# Altium PCB KlusterLab r2.0.PcbDoc (part 6 of 22) (continued)
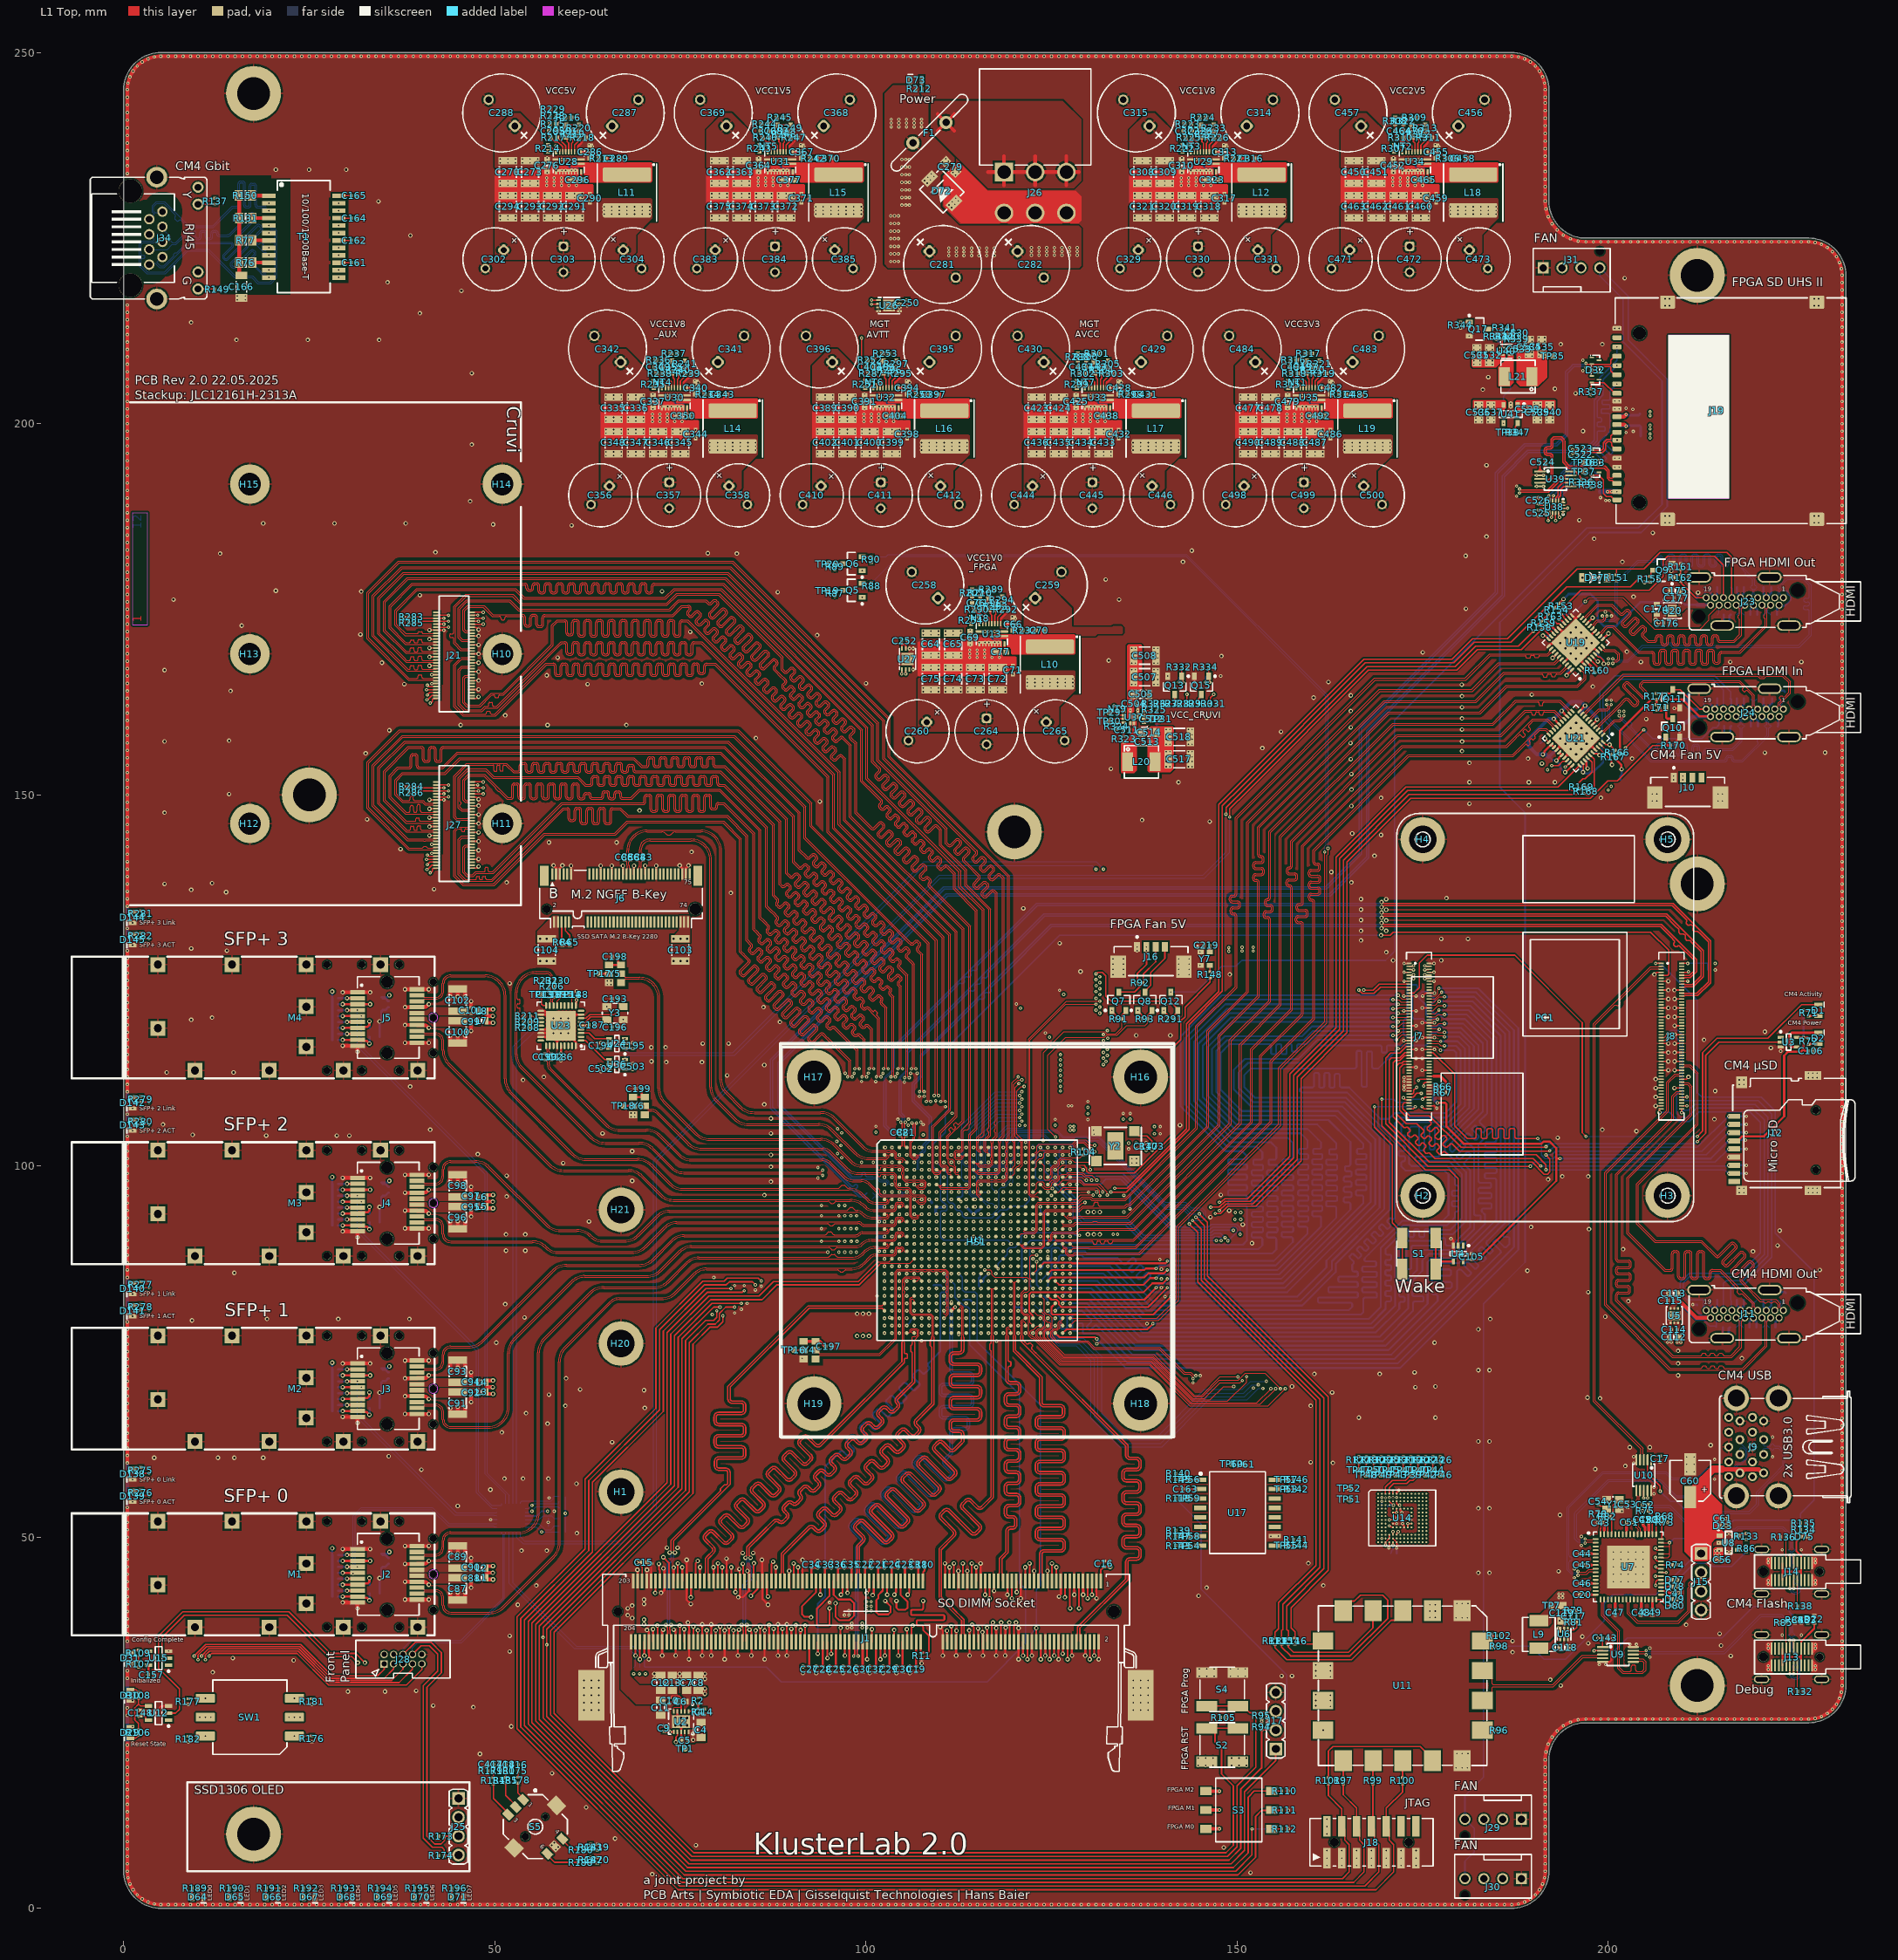
[diagram p0: L1 Top view]
## Nets (pads, with @x,y where several pads share a name; then routed paths per layer and width w, separated by ;. In a path a pad name is that pad's centre, name@x,y a point inside that pad or via, vN(x,y) a via of type N, cw(c..) or ccw(c..) an arc to the next point about the centre after c; other vN are vias at no path point) (continued)
CRUVI_A_4_N: J21.41 U1.D13 | length 173.2
  L1 Top w0.1: U1.D13@114.5,99.5 114.5,99.476 115.076,98.9 115.783,98.9 ; 115.666,98.9 116.483,98.9 117.749,98.9 118.1,99.251 118.1,100.251 118.1,103.169 118.12,103.189
  L1 Top w0.114: J21.41@42.165,166.59 42.107,166.648 41.712,166.648 41.69,166.67 38.19,166.67 33.5,171.359 33.5,176.841 37.409,180.75 81.752,180.75 102.5,160.002 102.5,154.925 114.573,142.852 114.965,142.46 114.965,142.455 cw(c114.64,142.205) 114.93,141.915 114.528,141.514 ccw(c114.648,141.394) 114.528,141.274 114.688,141.115 ccw(c114.808,141.235) 114.927,141.115 115.353,141.541 cw(c115.643,141.251) 115.893,141.576 115.898,141.576 116.128,141.346 116.128,141.341 cw(c115.803,141.092) 116.092,140.802 ; 116.092,140.801 115.568,140.277 ccw(c115.687,140.157) 115.568,140.038 115.727,139.878 ccw(c115.847,139.998) 115.966,139.878 116.491,140.403 cw(c116.781,140.113) 117.031,140.438 117.036,140.438 117.266,140.208 117.266,140.203 cw(c116.94,139.954) 117.23,139.664 ; 117.23,139.663 116.705,139.139 ccw(c116.825,139.019) 116.705,138.9 116.865,138.74 ccw(c116.984,138.86) 117.103,138.74 117.604,139.241 cw(c117.894,138.951) 118.144,139.276 118.149,139.276 118.31,139.115 118.594,138.831 118.594,112 118.594,103.953 118.12,103.48 118.12,103.189
CRUVI_A_4_P: J21.39 U1.D14 | length 173.1
  L1 Top w0.1: U1.D14@115.5,99.5 115.1,99.5 115,99.4 115,99.279 115.179,99.1 115.7,99.1 ; 115.749,99.1 116.4,99.1 117.074,99.1 117.666,99.1 117.9,99.334 117.9,103.169 117.88,103.189
  L1 Top w0.114: J21.39@42.165,166.99 42.107,166.932 41.906,166.932 41.712,166.932 41.69,166.91 40.308,166.91 cw(c40.308,167.065) 40.153,167.065 40.153,167.3 ccw(c39.999,167.3) 39.999,167.454 39.794,167.454 ccw(c39.794,167.3) 39.64,167.3 39.64,167.038 cw(c39.486,167.038) 39.486,166.883 39.28,166.883 cw(c39.28,167.038) 39.126,167.038 39.126,167.254 ccw(c38.972,167.254) 38.972,167.408 38.766,167.408 ccw(c38.766,167.254) 38.612,167.254 38.612,167.065 cw(c38.458,167.065) 38.458,166.91 38.29,166.91 37.883,167.317 33.741,171.459 33.741,176.741 37.509,180.509 81.653,180.509 102.259,159.903 102.259,154.825 114.402,142.682 114.759,142.325 cw(c114.64,142.205) 114.76,142.085 114.358,141.684 ccw(c114.648,141.394) 114.358,141.104 114.518,140.945 ccw(c114.808,141.235) 115.097,140.945 115.523,141.371 cw(c115.643,141.251) 115.763,141.37 115.921,141.212 ; 115.922,141.212 cw(c115.803,141.092) 115.923,140.973 115.397,140.447 ccw(c115.687,140.157) 115.397,139.867 115.557,139.708 ccw(c115.847,139.998) 116.136,139.708 ; 116.137,139.708 116.661,140.233 cw(c116.781,140.113) 116.901,140.232 117.059,140.074 ; 117.06,140.074 cw(c116.94,139.954) 117.061,139.835 116.535,139.309 ccw(c116.825,139.019) 116.535,138.73 116.695,138.57 ccw(c116.984,138.86) 117.274,138.57 ; 117.275,138.571 117.775,139.071 cw(c117.894,138.951) 118.014,139.07 118.139,138.945 118.353,138.732 118.353,104.053 117.88,103.58 117.88,103.189
CRUVI_A_5_N: J21.47 U1.G14 | length 174.4
  L1 Top w0.1: 115.1,97.749 115.1,97.33 115.1,97.2 115.2,97.1 115.2,96.8 115.1,96.7 115.1,96.2 115.2,96.1 115.365,96.1 115.423,96.159 115.423,96.423 U1.G14@115.5,96.5 ; 115.1,97.767 115.233,97.9 118.749,97.9 119.1,98.251 119.1,99.251 119.1,102.749 119.1,103.2 119.12,103.22
  L1 Top w0.114: J21.47@42.165,165.39 42.107,165.448 41.712,165.448 41.69,165.47 38.34,165.47 32.75,171.059 32.75,177.241 37,181.491 81.959,181.491 82.059,181.491 103.241,160.309 103.241,155.184 119.327,139.098 119.327,138.998 119.327,103.686 119.12,103.48 119.12,103.22
CRUVI_A_5_P: J21.45 U1.H14 | length 174.4
  L1 Top w0.1: U1.H14@115.5,95.5 115.5,95.517 114.9,96.117 114.9,96.684 114.9,97.85 115.15,98.1 115.316,98.1 116.7,98.1 116.8,98.2 117.1,98.2 117.2,98.1 117.7,98.1 117.8,98.2 118.1,98.2 118.2,98.1 118.666,98.1 118.9,98.334 118.9,98.7 118.8,98.8 118.8,99.1 118.9,99.2 118.9,99.334 118.9,99.7 118.8,99.8 118.8,100.1 118.9,100.2 118.9,100.334 118.9,100.7 118.8,100.8 118.8,101.1 118.9,101.2 118.9,101.334 118.9,101.7 118.8,101.8 118.8,102.1 118.9,102.2 118.9,102.334 118.9,102.666 118.9,103.2 118.88,103.22
  L1 Top w0.114: J21.45@42.165,165.79 42.107,165.732 41.712,165.732 41.69,165.71 40.9,165.71 40.329,165.71 cw(c40.329,165.865) 40.175,165.865 40.175,166 ccw(c40.021,166) 40.021,166.154 39.815,166.154 ccw(c39.815,166) 39.661,166 39.661,165.865 cw(c39.507,165.865) 39.507,165.71 38.65,165.71 38.44,165.71 32.991,171.159 32.991,177.141 37.1,181.25 81.959,181.25 103,160.209 103,155.084 119.086,138.998 119.086,103.786 118.88,103.58 118.88,103.22
CRUVI_A_6_N: J21.16 U1.D10 | length 169.6
  L1 Top w0.1: 110.12,103.72 110.1,103.7 110.1,100.25 110.25,100.1 110.825,100.1 111.1,99.825 111.1,99.747 111.102,99.745 111.102,99.198 111.2,99.1 111.365,99.1 111.423,99.159 U1.D10@111.423,99.423
  L1 Top w0.114: J21.16@46.835,171.79 46.485,171.79 46.391,171.884 45.986,171.884 45.695,172.175 45.695,174.885 46.236,175.426 46.306,175.497 48.553,175.497 49.759,174.291 53.193,174.291 53.714,174.291 cw(c53.714,173.853) 54.153,173.853 54.153,173.05 ccw(c54.35,173.05) 54.35,172.853 54.519,172.853 ccw(c54.519,173.05) 54.716,173.05 54.716,173.872 cw(c55.154,173.872) 55.154,174.31 55.324,174.31 cw(c55.324,173.872) 55.762,173.872 55.762,172.977 ccw(c55.959,172.977) 55.959,172.78 56.128,172.78 ccw(c56.128,172.977) 56.325,172.977 56.325,173.853 cw(c56.764,173.853) 56.764,174.291 56.941,174.291 73.941,174.291 75.147,175.497 75.442,175.497 76.038,175.497 cw(c76.038,175.087) 76.328,174.797 76.121,174.59 ccw(c76.241,174.47) 76.121,174.35 76.28,174.191 ccw(c76.4,174.311) 76.519,174.19 76.988,174.659 cw(c77.278,174.369) 77.527,174.695 77.532,174.695 77.762,174.465 77.762,174.46 cw(c77.437,174.21) 77.727,173.92 77.259,173.452 ccw(c77.378,173.332) 77.259,173.213 77.418,173.053 ccw(c77.538,173.173) 77.657,173.052 78.126,173.521 cw(c78.416,173.232) 78.665,173.557 78.67,173.557 78.9,173.327 78.9,173.322 cw(c78.575,173.072) 78.865,172.782 78.397,172.314 ccw(c78.516,172.194) 78.397,172.075 78.556,171.915 ccw(c78.676,172.035) 78.795,171.915 79.264,172.384 cw(c79.553,172.094) 79.803,172.419 79.808,172.419 80.038,172.189 80.038,172.184 cw(c79.713,171.934) 80.003,171.644 79.535,171.176 ccw(c79.654,171.056) 79.535,170.937 79.694,170.777 ccw(c79.814,170.897) 79.933,170.777 80.401,171.246 cw(c80.691,170.956) 80.941,171.281 80.946,171.281 81.176,171.051 81.176,171.046 cw(c80.851,170.796) 81.141,170.506 80.672,170.038 ccw(c80.792,169.919) 80.672,169.799 80.832,169.64 ccw(c80.951,169.759) 81.07,169.639 81.539,170.108 cw(c81.829,169.818) 82.079,170.143 82.084,170.143 82.314,169.913 82.314,169.908 cw(c81.989,169.658) 82.279,169.369 81.81,168.9 ccw(c81.93,168.781) 81.81,168.661 81.97,168.502 ccw(c82.089,168.621) 82.208,168.501 82.677,168.97 cw(c82.967,168.68) 83.217,169.005 83.222,169.005 83.452,168.775 83.452,168.77 cw(c83.127,168.521) 83.416,168.231 82.948,167.762 ccw(c83.068,167.643) 82.948,167.523 83.108,167.364 ccw(c83.227,167.483) 83.346,167.363 83.815,167.832 cw(c84.105,167.542) 84.355,167.867 84.36,167.867 84.59,167.637 84.59,167.632 cw(c84.264,167.383) 84.554,167.093 84.086,166.625 ccw(c84.206,166.505) 84.086,166.385 84.245,166.226 ccw(c84.365,166.346) 84.484,166.225 84.953,166.694 cw(c85.243,166.404) 85.492,166.729 85.497,166.729 85.727,166.499 85.727,166.494 cw(c85.402,166.245) 85.692,165.955 85.224,165.487 ccw(c85.343,165.367) 85.224,165.248 85.383,165.088 ccw(c85.503,165.208) 85.622,165.087 86.091,165.556 cw(c86.381,165.266) 86.63,165.592 86.635,165.592 86.865,165.362 86.865,165.357 cw(c86.54,165.107) 86.83,164.817 86.362,164.349 ccw(c86.481,164.229) 86.362,164.11 86.521,163.95 ccw(c86.641,164.07) 86.76,163.95 87.229,164.418 cw(c87.519,164.129) 87.768,164.454 87.773,164.454 88.003,164.224 88.003,164.219 cw(c87.678,163.969) 87.968,163.679 87.5,163.211 ccw(c87.619,163.091) 87.5,162.972 87.659,162.812 ccw(c87.779,162.932) 87.898,162.812 88.367,163.281 cw(c88.656,162.991) 88.906,163.316 88.911,163.316 89.141,163.086 89.141,163.081 cw(c88.816,162.831) 89.106,162.541 88.637,162.073 ccw(c88.757,161.954) 88.637,161.834 88.797,161.674 ccw(c88.917,161.794) 89.035,161.674 89.504,162.143 cw(c89.794,161.853) 90.044,162.178 90.049,162.178 90.279,161.948 90.279,161.943 cw(c89.954,161.693) 90.244,161.403 89.775,160.935 ccw(c89.895,160.816) 89.775,160.696 89.935,160.537 ccw(c90.054,160.656) 90.173,160.536 90.642,161.005 cw(c90.932,160.715) 91.182,161.04 91.187,161.04 91.417,160.81 91.417,160.805 cw(c91.092,160.555) 91.381,160.266 90.913,159.797 ccw(c91.033,159.678) 90.913,159.558 91.073,159.399 ccw(c91.192,159.518) 91.311,159.398 91.78,159.867 cw(c92.07,159.577) 92.32,159.902 92.325,159.902 92.555,159.672 92.555,159.667 cw(c92.229,159.418) 92.519,159.128 92.051,158.659 ccw(c92.171,158.54) 92.051,158.42 92.211,158.261 ccw(c92.33,158.38) 92.449,158.26 92.918,158.729 cw(c93.208,158.439) 93.458,158.764 93.462,158.764 93.692,158.534 93.692,158.529 cw(c93.367,158.28) 93.657,157.99 ; 93.657,157.989 93.189,157.522 ccw(c93.309,157.402) 93.189,157.282 93.348,157.123 ccw(c93.468,157.243) 93.587,157.122 94.056,157.591 cw(c94.346,157.301) 94.595,157.626 94.6,157.626 94.83,157.396 94.83,157.392 cw(c94.505,157.142) 94.795,156.852 ; 94.795,156.851 94.327,156.384 ccw(c94.446,156.264) 94.327,156.145 94.486,155.985 ccw(c94.606,156.105) 94.725,155.984 95.194,156.453 cw(c95.484,156.163) 95.733,156.489 95.738,156.489 95.968,156.259 95.968,156.254 cw(c95.643,156.004) 95.933,155.714 ; 95.932,155.714 95.465,155.246 ccw(c95.584,155.126) 95.465,155.007 95.624,154.847 ccw(c95.744,154.967) 95.863,154.847 96.281,155.265 cw(c96.571,154.975) 96.82,155.3 96.825,155.3 96.986,155.139 97.247,154.878 97.247,146.612 112.294,131.565 112.294,106.653 110.12,104.48 110.12,103.72
CRUVI_A_6_P: J21.14 U1.E10 | length 169.3
  L1 Top w0.1: 109.88,103.72 109.9,103.7 109.9,100.167 110.167,99.9 110.742,99.9 110.9,99.742 110.9,99.117 111.117,98.9 111.365,98.9 111.423,98.841 U1.E10@111.423,98.577
  L1 Top w0.114: J21.14@46.835,172.19 46.777,172.132 46.382,172.132 46.36,172.11 46.1,172.11 45.935,172.275 45.935,174.785 46.406,175.256 48.428,175.256 49.634,174.05 50.025,174.05 50.596,174.05 cw(c50.596,173.819) 50.827,173.819 50.827,173.78 ccw(c51.058,173.78) 51.058,173.549 51.11,173.549 ccw(c51.11,173.78) 51.341,173.78 51.341,173.819 cw(c51.572,173.819) 51.572,174.05 52.425,174.05 53.193,174.05 53.714,174.05 cw(c53.714,173.853) 53.912,173.853 53.912,173.05 ccw(c54.35,173.05) 54.35,172.612 54.519,172.612 ccw(c54.519,173.05) 54.957,173.05 54.957,173.872 cw(c55.154,173.872) 55.154,174.069 55.324,174.069 cw(c55.324,173.872) 55.521,173.872 55.521,172.977 ccw(c55.959,172.977) 55.959,172.539 56.128,172.539 ccw(c56.128,172.977) 56.566,172.977 56.566,173.853 cw(c56.764,173.853) 56.764,174.05 56.941,174.05 74.041,174.05 75.02,175.03 75.246,175.256 76.038,175.256 cw(c76.038,175.087) 76.158,174.967 75.951,174.76 ccw(c76.241,174.47) 75.951,174.18 76.11,174.021 ccw(c76.4,174.311) 76.69,174.021 ; 76.69,174.021 77.158,174.489 cw(c77.278,174.369) 77.398,174.489 ; 77.398,174.488 77.556,174.33 cw(c77.437,174.21) 77.557,174.091 77.089,173.622 ccw(c77.378,173.332) 77.089,173.042 77.248,172.883 ccw(c77.538,173.173) 77.828,172.883 ; 77.828,172.883 78.296,173.351 cw(c78.416,173.232) 78.536,173.351 ; 78.536,173.35 78.694,173.192 cw(c78.575,173.072) 78.695,172.953 78.226,172.484 ccw(c78.516,172.194) 78.226,171.904 78.386,171.745 ccw(c78.676,172.035) 78.966,171.745 ; 78.966,171.745 79.434,172.213 cw(c79.553,172.094) 79.673,172.213 ; 79.674,172.213 79.832,172.054 cw(c79.713,171.934) 79.833,171.815 79.364,171.346 ccw(c79.654,171.056) 79.364,170.767 79.524,170.607 ccw(c79.814,170.897) 80.103,170.607 ; 80.104,170.608 80.572,171.075 cw(c80.691,170.956) 80.811,171.075 80.97,170.917 cw(c80.851,170.796) 80.971,170.677 80.502,170.208 ccw(c80.792,169.919) 80.502,169.629 80.662,169.469 ccw(c80.951,169.759) 81.241,169.469 ; 81.242,169.47 81.71,169.938 cw(c81.829,169.818) 81.949,169.937 82.108,169.779 cw(c81.989,169.658) 82.109,169.54 81.64,169.071 ccw(c81.93,168.781) 81.64,168.491 81.799,168.331 ccw(c82.089,168.621) 82.379,168.331 ; 82.38,168.332 82.847,168.8 cw(c82.967,168.68) 83.087,168.799 83.245,168.641 cw(c83.127,168.521) 83.247,168.402 82.778,167.933 ccw(c83.068,167.643) 82.778,167.353 82.937,167.194 ccw(c83.227,167.483) 83.517,167.194 ; 83.518,167.194 83.985,167.662 cw(c84.105,167.542) 84.225,167.661 84.383,167.503 cw(c84.264,167.383) 84.385,167.264 83.916,166.795 ccw(c84.206,166.505) 83.916,166.215 84.075,166.056 ccw(c84.365,166.346) 84.655,166.056 ; 84.655,166.056 85.123,166.524 cw(c85.243,166.404) 85.363,166.523 85.521,166.365 cw(c85.402,166.245) 85.523,166.126 85.054,165.657 ccw(c85.343,165.367) 85.054,165.077 85.213,164.918 ccw(c85.503,165.208) 85.793,164.918 ; 85.793,164.918 86.261,165.386 cw(c86.381,165.266) 86.501,165.386 86.659,165.227 cw(c86.54,165.107) 86.66,164.988 86.191,164.519 ccw(c86.481,164.229) 86.191,163.939 86.351,163.78 ccw(c86.641,164.07) 86.931,163.78 ; 86.931,163.78 87.399,164.248 cw(c87.519,164.129) 87.639,164.248 87.797,164.089 ; 87.797,164.089 cw(c87.678,163.969) 87.798,163.85 87.329,163.381 ccw(c87.619,163.091) 87.329,162.802 87.489,162.642 ccw(c87.779,162.932) 88.069,162.642 ; 88.069,162.643 88.537,163.11 cw(c88.656,162.991) 88.776,163.11 88.935,162.951 ; 88.936,162.712 88.467,162.243 ccw(c88.757,161.954) 88.467,161.664 88.627,161.504 ccw(c88.917,161.794) 89.206,161.504 ; 88.935,162.951 cw(c88.816,162.831) 88.936,162.712 ; 89.207,161.505 89.675,161.972 cw(c89.794,161.853) 89.914,161.972 90.073,161.814 ; 90.073,161.813 cw(c89.954,161.693) 90.074,161.574 89.605,161.106 ccw(c89.895,160.816) 89.605,160.526 89.765,160.366 ccw(c90.054,160.656) 90.344,160.366 ; 90.345,160.367 90.813,160.835 cw(c90.932,160.715) 91.052,160.834 91.211,160.676 ; 91.211,160.676 cw(c91.092,160.555) 91.212,160.437 90.743,159.968 ccw(c91.033,159.678) 90.743,159.388 90.902,159.228 ccw(c91.192,159.518) 91.482,159.228 ; 91.483,159.229 91.95,159.697 cw(c92.07,159.577) 92.19,159.696 92.348,159.538 ; 92.349,159.538 cw(c92.229,159.418) 92.35,159.299 91.881,158.83 ccw(c92.171,158.54) 91.881,158.25 92.04,158.091 ccw(c92.33,158.38) 92.62,158.091 ; 92.621,158.091 93.088,158.559 cw(c93.208,158.439) 93.328,158.558 93.486,158.4 cw(c93.367,158.28) 93.488,158.161 93.019,157.692 ccw(c93.309,157.402) 93.019,157.112 93.178,156.953 ccw(c93.468,157.243) 93.758,156.953 ; 93.758,156.953 94.226,157.421 cw(c94.346,157.301) 94.466,157.42 94.624,157.262 ; 94.624,157.262 cw(c94.505,157.142) 94.625,157.023 94.157,156.554 ccw(c94.446,156.264) 94.157,155.974 94.316,155.815 ccw(c94.606,156.105) 94.896,155.815 ; 94.896,155.815 95.364,156.283 cw(c95.484,156.163) 95.604,156.283 95.762,156.124 ; 95.762,156.124 cw(c95.643,156.004) 95.763,155.885 95.294,155.416 ccw(c95.584,155.126) 95.294,154.836 95.454,154.677 ccw(c95.744,154.967) 96.034,154.677 96.451,155.094 cw(c96.571,154.975) 96.691,155.094 ; 96.691,155.094 96.816,154.969 97.006,154.779 97.006,146.512 112.053,131.465 112.053,112 112.053,106.753 109.88,104.58 109.88,103.72
CRUVI_A_7_N: J21.22 U1.D11 | length 173.3
  L1 Top w0.1: 111.12,103.72 111.1,103.7 111.1,101.749 111.1,101.058 111.208,100.95 111.65,100.95 111.925,100.675 111.925,100.046 112.102,99.869 112.102,99.198 112.2,99.1 112.365,99.1 112.423,99.159 U1.D11@112.423,99.423
  L1 Top w0.114: J21.22@46.835,170.59 46.777,170.648 46.382,170.648 46.36,170.67 45.54,170.67 45.059,171.15 45.059,175.148 46.09,176.179 46.161,176.25 52.05,176.25 53.256,175.044 62.611,175.044 73.494,175.044 74.7,176.25 78.475,176.25 78.709,176.016 78.834,175.891 ccw(c78.954,176.011) 79.073,175.891 79.381,176.199 79.386,176.199 cw(c79.636,175.874) 79.926,176.164 80.085,176.004 cw(c79.795,175.714) 80.085,175.424 79.043,174.383 ccw(c79.163,174.263) 79.043,174.143 79.203,173.983 ccw(c79.322,174.103) 79.442,173.984 80.519,175.061 80.524,175.061 cw(c80.774,174.736) 81.064,175.026 81.223,174.866 cw(c80.933,174.576) 81.223,174.287 80.181,173.245 ccw(c80.3,173.125) 80.181,173.005 80.34,172.846 ccw(c80.46,172.965) 80.579,172.846 81.657,173.923 81.662,173.923 cw(c81.912,173.598) 82.201,173.888 82.361,173.728 cw(c82.071,173.439) 82.361,173.149 81.319,172.107 ; 81.319,172.107 ccw(c81.438,171.987) 81.319,171.868 81.478,171.708 ccw(c81.598,171.828) 81.717,171.708 82.795,172.785 82.8,172.785 cw(c83.049,172.46) 83.339,172.75 83.499,172.591 cw(c83.209,172.301) 83.499,172.011 82.457,170.969 ; 82.457,170.969 ccw(c82.576,170.849) 82.456,170.73 82.616,170.57 ccw(c82.736,170.69) 82.855,170.57 83.933,171.647 83.938,171.647 cw(c84.187,171.322) 84.477,171.612 84.637,171.453 cw(c84.347,171.163) 84.637,170.873 83.595,169.831 ; 83.594,169.831 ccw(c83.714,169.711) 83.594,169.592 83.754,169.432 ccw(c83.873,169.552) 83.993,169.432 85.071,170.51 85.075,170.51 cw(c85.325,170.184) 85.615,170.474 85.774,170.315 cw(c85.485,170.025) 85.774,169.735 84.733,168.693 ; 84.732,168.693 ccw(c84.852,168.573) 84.732,168.454 84.892,168.294 ccw(c85.011,168.414) 85.131,168.294 86.208,169.372 86.213,169.372 cw(c86.463,169.047) 86.753,169.336 86.912,169.177 cw(c86.622,168.887) 86.912,168.597 85.871,167.556 ; 85.87,167.555 ccw(c85.99,167.436) 85.87,167.316 86.03,167.156 ccw(c86.149,167.276) 86.269,167.156 87.346,168.234 87.351,168.234 cw(c87.601,167.909) 87.891,168.199 88.05,168.039 cw(c87.76,167.749) 88.05,167.459 87.777,167.187 ccw(c87.897,167.067) 87.777,166.948 88.187,166.538 88.378,166.347 89.231,165.494 cw(c88.98,165.244) 89.231,164.993 88.908,164.67 ccw(c88.987,164.59) 88.907,164.511 89.147,164.271 ccw(c89.226,164.351) 89.306,164.271 89.674,164.639 89.679,164.639 cw(c89.888,164.353) 90.138,164.603 90.377,164.364 cw(c90.127,164.114) 90.377,163.864 89.938,163.425 ccw(c90.017,163.344) 89.937,163.265 90.177,163.025 ccw(c90.256,163.105) 90.336,163.026 90.811,163.501 90.817,163.501 cw(c91.026,163.216) 91.276,163.466 91.515,163.226 cw(c91.265,162.976) 91.515,162.726 91.076,162.287 ccw(c91.155,162.207) 91.075,162.127 91.315,161.887 ; 91.315,161.887 ccw(c91.394,161.967) 91.474,161.888 91.949,162.363 91.955,162.363 cw(c92.164,162.078) 92.414,162.328 92.653,162.089 cw(c92.403,161.839) 92.653,161.589 92.214,161.149 ccw(c92.293,161.069) 92.213,160.989 92.453,160.75 ccw(c92.532,160.83) 92.612,160.75 93.087,161.225 93.093,161.225 cw(c93.302,160.94) 93.552,161.19 93.791,160.951 cw(c93.541,160.701) 93.791,160.451 93.352,160.011 ccw(c93.431,159.931) 93.351,159.851 93.59,159.612 ccw(c93.67,159.692) 93.75,159.612 94.225,160.087 94.231,160.087 cw(c94.44,159.802) 94.69,160.052 94.929,159.813 cw(c94.679,159.563) 94.929,159.313 94.489,158.873 ccw(c94.569,158.793) 94.489,158.713 94.728,158.474 ccw(c94.808,158.554) 94.888,158.474 95.363,158.949 95.369,158.949 cw(c95.578,158.664) 95.828,158.914 96.067,158.675 cw(c95.817,158.425) 96.067,158.175 95.627,157.735 ccw(c95.707,157.655) 95.627,157.576 95.866,157.336 ccw(c95.946,157.416) 96.025,157.336 96.456,157.767 cw(c96.707,157.516) 96.958,157.767 97.083,157.642 98,156.725 98,147.131 113.194,131.937 113.194,105.991 111.12,103.918 111.12,103.72
CRUVI_A_7_P: J21.20 U1.E11 | length 173.9
  L1 Top w0.1: 110.88,103.72 110.9,103.7 110.9,101.666 110.9,100.975 111.1,100.775 111.1,100.325 111.35,100.075 111.575,100.075 111.9,99.75 111.9,99.117 112.117,98.9 112.365,98.9 112.423,98.841 U1.E11@112.423,98.577
  L1 Top w0.114: J21.20@46.835,170.99 46.777,170.932 46.382,170.932 46.36,170.91 45.64,170.91 45.3,171.25 45.3,175.049 46.261,176.009 51.95,176.009 53.156,174.803 73.594,174.803 74.8,176.009 78.375,176.009 78.538,175.846 78.663,175.721 ccw(c78.954,176.011) 79.243,175.721 79.516,175.993 ; 79.516,175.993 cw(c79.636,175.874) 79.755,175.993 79.915,175.834 cw(c79.795,175.714) 79.915,175.595 78.837,174.517 78.837,174.512 ccw(c79.163,174.263) 78.873,173.972 79.032,173.814 ccw(c79.322,174.103) 79.612,173.813 80.654,174.855 ; 80.654,174.856 cw(c80.774,174.736) 80.893,174.856 81.053,174.696 cw(c80.933,174.576) 81.053,174.457 79.975,173.379 79.975,173.375 ccw(c80.3,173.125) 80.011,172.834 80.169,172.676 ccw(c80.46,172.965) 80.75,172.676 81.791,173.717 ; 81.792,173.718 cw(c81.912,173.598) 82.031,173.718 82.191,173.558 cw(c82.071,173.439) 82.191,173.319 81.113,172.242 81.113,172.237 ccw(c81.438,171.987) 81.149,171.697 81.307,171.538 ccw(c81.598,171.828) 81.888,171.538 82.929,172.579 ; 82.93,172.58 cw(c83.049,172.46) 83.169,172.58 83.328,172.42 cw(c83.209,172.301) 83.328,172.181 82.251,171.104 82.251,171.099 ccw(c82.576,170.849) 82.287,170.559 82.445,170.4 ccw(c82.736,170.69) 83.025,170.4 84.067,171.441 ; 84.068,171.442 cw(c84.187,171.322) 84.307,171.442 84.466,171.282 cw(c84.347,171.163) 84.466,171.043 83.389,169.966 83.389,169.961 ccw(c83.714,169.711) 83.425,169.421 83.583,169.262 ccw(c83.873,169.552) 84.163,169.262 85.205,170.304 ; 85.206,170.304 cw(c85.325,170.184) 85.445,170.304 85.604,170.145 cw(c85.485,170.025) 85.604,169.905 84.527,168.828 84.527,168.823 ccw(c84.852,168.573) 84.562,168.283 84.721,168.125 ccw(c85.011,168.414) 85.301,168.124 86.343,169.166 ; 86.343,169.166 cw(c86.463,169.047) 86.583,169.166 86.742,169.007 cw(c86.622,168.887) 86.742,168.768 85.665,167.69 85.665,167.685 ccw(c85.99,167.436) 85.7,167.145 85.859,166.987 ccw(c86.149,167.276) 86.439,166.986 87.481,168.028 ; 87.481,168.028 cw(c87.601,167.909) 87.72,168.028 87.88,167.869 cw(c87.76,167.749) 87.88,167.63 87.607,167.357 ccw(c87.897,167.067) 87.608,166.777 88.017,166.368 88.207,166.177 89.06,165.324 cw(c88.98,165.244) 89.06,165.163 88.737,164.84 ccw(c88.987,164.59) 88.738,164.34 88.976,164.102 ccw(c89.226,164.351) 89.476,164.101 89.808,164.433 cw(c89.888,164.353) 89.968,164.433 90.207,164.194 cw(c90.127,164.114) 90.207,164.035 89.732,163.559 89.732,163.553 ccw(c90.017,163.344) 89.768,163.094 90.006,162.856 ccw(c90.256,163.105) 90.506,162.855 90.946,163.295 cw(c91.026,163.216) 91.106,163.295 91.345,163.056 cw(c91.265,162.976) 91.345,162.897 90.87,162.421 90.87,162.415 ccw(c91.155,162.207) 90.906,161.956 91.144,161.718 ccw(c91.394,161.967) 91.644,161.717 92.084,162.157 cw(c92.164,162.078) 92.244,162.157 92.483,161.918 cw(c92.403,161.839) 92.483,161.759 92.008,161.283 92.008,161.278 ccw(c92.293,161.069) 92.043,160.818 92.282,160.58 ccw(c92.532,160.83) 92.782,160.58 93.222,161.019 cw(c93.302,160.94) 93.382,161.02 93.621,160.78 cw(c93.541,160.701) 93.621,160.621 93.146,160.146 93.146,160.14 ccw(c93.431,159.931) 93.181,159.68 93.419,159.442 ccw(c93.67,159.692) 93.92,159.442 94.36,159.881 cw(c94.44,159.802) 94.52,159.882 94.759,159.643 cw(c94.679,159.563) 94.759,159.483 94.283,159.008 94.283,159.002 ccw(c94.569,158.793) 94.319,158.542 94.557,158.304 ccw(c94.808,158.554) 95.058,158.304 95.497,158.743 cw(c95.578,158.664) 95.657,158.744 95.897,158.505 cw(c95.817,158.425) 95.897,158.345 95.421,157.87 95.421,157.864 ccw(c95.707,157.655) 95.457,157.405 95.695,157.166 ccw(c95.946,157.416) 96.196,157.166 96.627,157.597 cw(c96.707,157.516) 96.788,157.597 96.913,157.471 97.759,156.625 97.759,147.031 112.953,131.838 112.953,112 112.953,106.091 112.863,106.001 112.495,105.633 cw(c112.414,105.713) 112.334,105.633 112.156,105.811 ccw(c112.09,105.746) 112.024,105.811 111.828,105.615 ccw(c111.893,105.549) 111.828,105.483 112.04,105.271 cw(c111.974,105.205) 112.04,105.14 111.843,104.943 cw(c111.778,105.009) 111.712,104.943 111.511,105.144 ccw(c111.445,105.079) 111.38,105.144 111.183,104.947 ccw(c111.249,104.882) 111.183,104.816 111.35,104.649 cw(c111.27,104.569) 111.35,104.488 111.106,104.244 110.88,104.018 110.88,103.72
CRUVI_A_8_N: J21.28 U1.B11 | length 169.9
  L1 Top w0.1: U1.B11@112.5,101.5 112.577,101.423 112.841,101.423 112.9,101.365 112.9,101.2 112.8,101.1 112.2,101.1 112.1,101.2 112.1,101.8 112.2,101.9 112.883,101.9 113.1,102.117 113.1,103.559 113.12,103.579
  L1 Top w0.114: J21.28@46.835,169.39 46.777,169.448 46.382,169.448 46.36,169.47 45.38,169.47 44.459,170.391 44.459,170.981 44.459,171.038 ccw(c44.305,171.038) 44.305,171.192 44.068,171.192 cw(c44.068,171.347) 43.914,171.347 43.914,171.552 cw(c44.068,171.552) 44.068,171.706 44.305,171.706 ccw(c44.305,171.86) 44.459,171.86 44.459,172.59 44.459,175.397 45.992,176.929 46.062,177 52.456,177 53.662,175.794 62.611,175.794 73.129,175.794 74.484,177.15 80.225,177.15 88.817,168.558 88.817,166.908 88.936,166.789 89.062,166.663 ccw(c89.181,166.783) 89.301,166.663 89.702,167.064 cw(c89.991,166.774) 90.241,167.099 90.246,167.099 90.476,166.869 90.476,166.864 cw(c90.151,166.614) 90.441,166.325 90.018,165.902 ccw(c90.137,165.782) 90.018,165.662 90.177,165.503 ccw(c90.297,165.622) 90.416,165.502 90.839,165.926 cw(c91.129,165.636) 91.379,165.961 91.384,165.961 91.614,165.731 91.614,165.726 cw(c91.289,165.477) 91.579,165.187 91.156,164.764 ccw(c91.275,164.644) 91.156,164.524 91.315,164.365 ccw(c91.435,164.485) 91.554,164.365 91.977,164.788 cw(c92.267,164.498) 92.517,164.823 92.522,164.823 92.752,164.593 92.752,164.588 cw(c92.427,164.339) 92.716,164.049 92.293,163.626 ccw(c92.413,163.506) 92.293,163.387 92.453,163.227 ccw(c92.573,163.347) 92.692,163.227 93.115,163.65 cw(c93.405,163.36) 93.655,163.685 93.66,163.685 93.89,163.455 93.89,163.45 cw(c93.565,163.201) 93.854,162.911 93.431,162.488 ccw(c93.551,162.368) 93.431,162.249 93.591,162.089 ccw(c93.71,162.209) 93.83,162.089 94.253,162.512 cw(c94.543,162.222) 94.793,162.548 94.798,162.548 95.028,162.318 95.028,162.313 cw(c94.702,162.063) 94.992,161.773 94.569,161.35 ccw(c94.689,161.23) 94.569,161.111 94.729,160.951 ccw(c94.848,161.071) 94.967,160.951 95.391,161.374 cw(c95.681,161.085) 95.93,161.41 95.935,161.41 96.165,161.18 96.165,161.175 cw(c95.84,160.925) 96.13,160.635 95.707,160.212 ccw(c95.827,160.093) 95.707,159.973 95.867,159.813 ccw(c95.986,159.933) 96.105,159.813 96.529,160.237 cw(c96.819,159.947) 97.068,160.272 97.073,160.272 97.303,160.042 97.303,160.037 cw(c96.978,159.787) 97.268,159.497 96.845,159.074 ccw(c96.965,158.955) 96.845,158.835 97.004,158.676 ccw(c97.124,158.795) 97.243,158.675 97.667,159.099 cw(c97.957,158.809) 98.206,159.134 98.211,159.134 98.441,158.904 98.441,158.899 cw(c98.116,158.649) 98.406,158.359 ; 98.405,158.359 98.005,157.959 ccw(c98.125,157.839) 98.005,157.72 98.75,156.975 98.75,156.833 98.75,147.654 100.682,145.721 100.808,145.596 ccw(c100.927,145.716) 101.047,145.596 101.726,146.275 101.731,146.275 cw(c101.981,145.95) 102.271,146.24 102.43,146.081 cw(c102.14,145.791) 102.43,145.501 101.77,144.841 ccw(c101.889,144.721) 101.77,144.602 101.929,144.442 ccw(c102.049,144.562) 102.169,144.442 102.864,145.138 102.869,145.138 cw(c103.119,144.812) 103.409,145.102 103.568,144.943 cw(c103.278,144.653) 103.568,144.363 102.908,143.703 ccw(c103.027,143.583) 102.908,143.464 103.067,143.304 ccw(c103.187,143.424) 103.306,143.304 104.002,144 104.007,144 cw(c104.257,143.675) 104.546,143.964 104.706,143.805 cw(c104.416,143.515) 104.706,143.225 104.046,142.565 ccw(c104.165,142.445) 104.045,142.326 104.205,142.166 ccw(c104.325,142.286) 104.444,142.166 105.14,142.862 105.145,142.862 cw(c105.394,142.537) 105.684,142.827 105.844,142.667 cw(c105.554,142.377) 105.844,142.087 105.184,141.428 ccw(c105.303,141.307) 105.183,141.188 105.343,141.028 ccw(c105.463,141.148) 105.582,141.028 106.278,141.724 106.283,141.724 cw(c106.532,141.399) 106.822,141.689 106.982,141.529 cw(c106.692,141.239) 106.982,140.949 106.322,140.29 ccw(c106.441,140.17) 106.321,140.05 106.481,139.89 ccw(c106.6,140.01) 106.72,139.891 107.416,140.586 107.42,140.586 cw(c107.67,140.261) 107.96,140.551 108.119,140.391 cw(c107.83,140.101) 108.119,139.812 107.46,139.152 ccw(c107.579,139.032) 107.459,138.912 107.619,138.753 ccw(c107.738,138.872) 107.858,138.753 107.94,138.835 cw(c108.23,138.545) 108.519,138.835 108.679,138.675 cw(c108.389,138.385) 108.679,138.095 108.613,138.03 ccw(c108.733,137.91) 108.613,137.791 110.139,136.264 114.094,132.31 114.094,105.694 113.9,105.5 113.9,105.1 113.7,104.9 113.3,104.9 113.12,104.72 113.12,103.579